# Altium PCB usb_keyboard.PcbDoc (part 1 of 2)
Units mm, origin at the board's own origin, x right, y up, seen from the top; angles counter-clockwise.
Board outline 347.73 x 123.82 mm, 2 copper layers (Top Layer, Bottom Layer), stack 1.579 mm thick; 145 components, 121 nets, 652 pads, 195 vias.
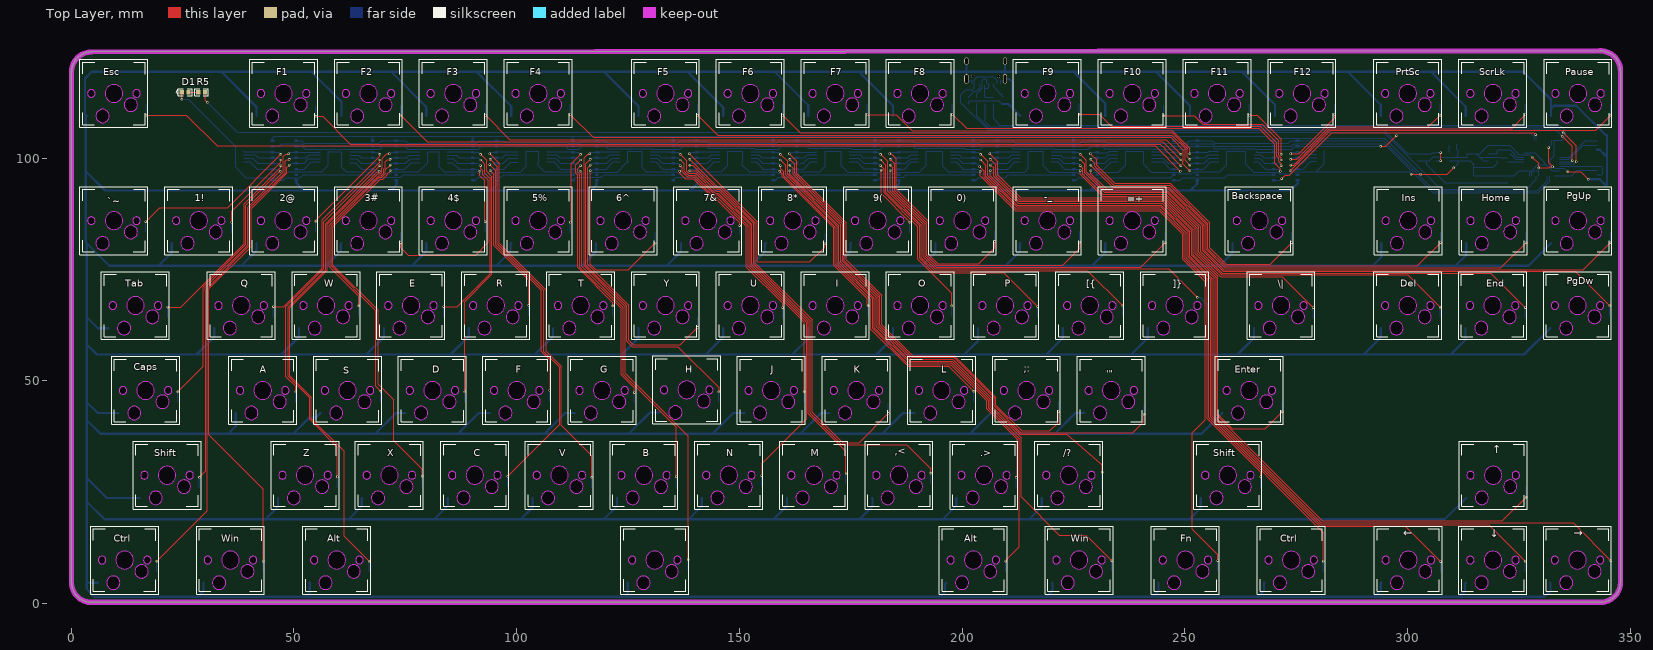
[diagram p0: Top Layer view]
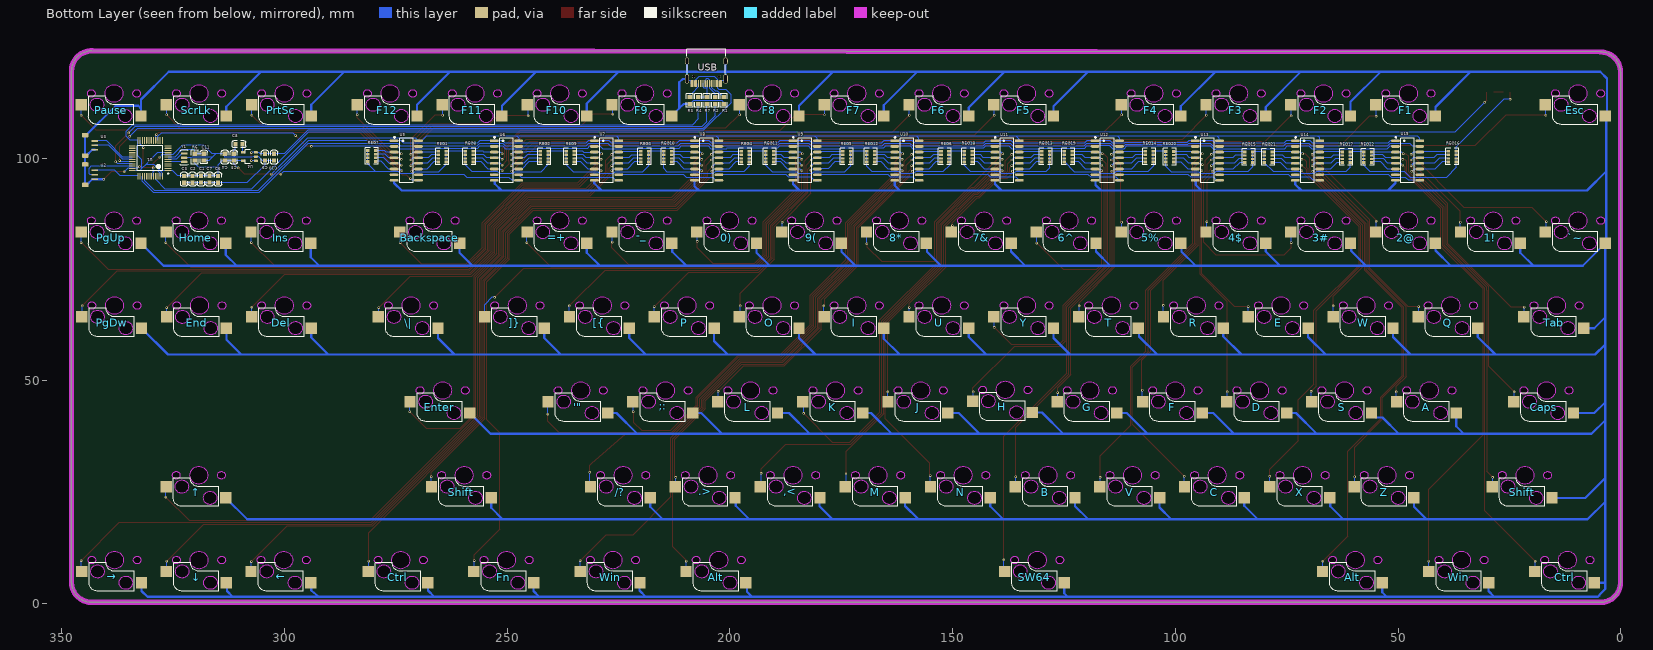
[diagram p1: Bottom Layer view, seen from below]
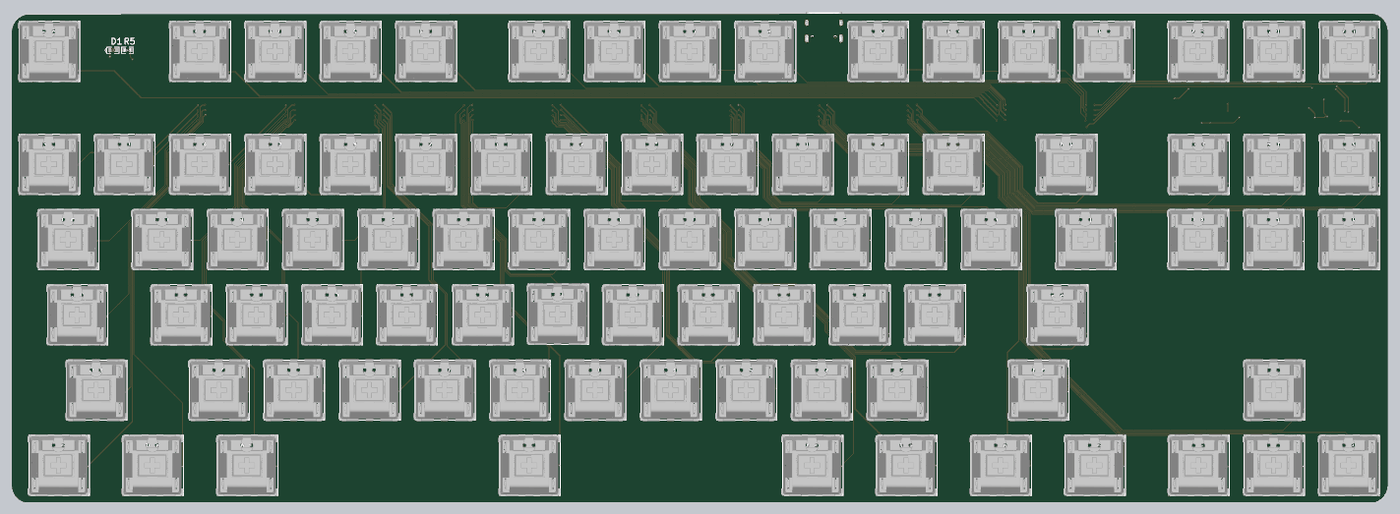
[diagram p3: 3D render of the assembled board from above, using the file's embedded part models]
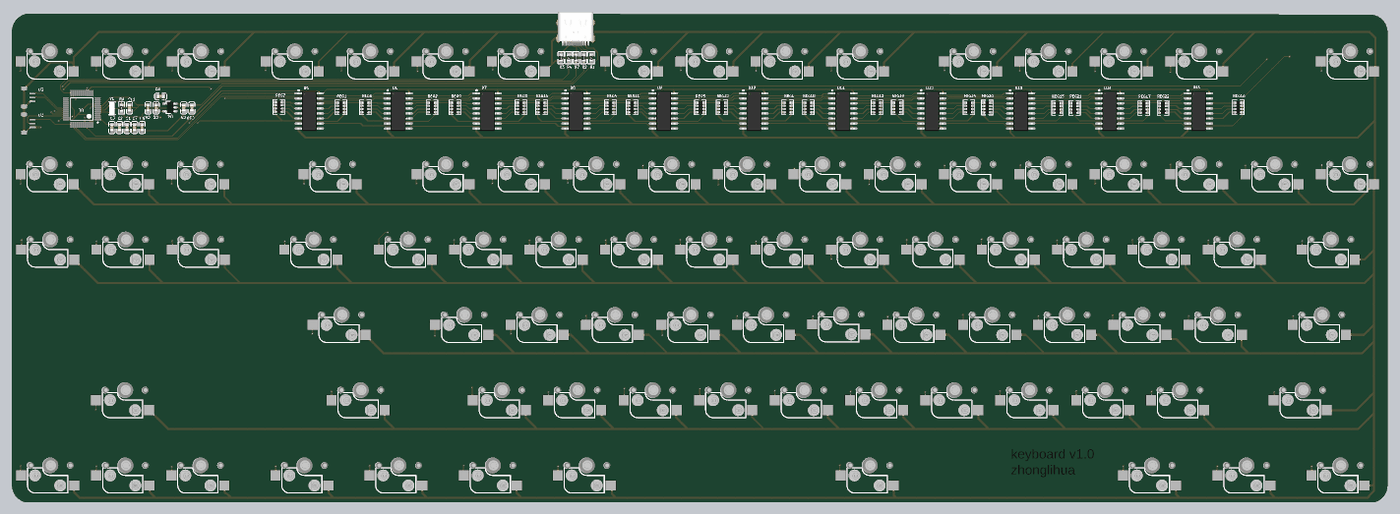
[diagram p4: 3D render of the assembled board from below, using the file's embedded part models]

## Layer stack, top to bottom
Top Solder: solder mask 0.0102, Solder Resist, Dk 3.5
Top Layer: signal copper 0.0356
Dielectric 1: dielectric 1.508, FR-4, Dk 4.8
Bottom Layer: signal copper 0.0356
Bottom Solder: solder mask 0.0102, Solder Resist, Dk 3.5

## Board outline
4.594,0.258 cw(c4.594,4.756) 0.095,4.756 0.095,119.295 cw(c4.63,119.295) 4.63,123.829 4.626,123.829 343.267,124.082 343.123,124.08 cw(c343.27,119.536) 347.814,119.682 347.821,119.536 347.821,4.808 cw(c343.27,4.808) 343.27,0.258

## Design rules (kind name [scope] priority, off if disabled: settings)
Clearance [All] p1: gap=0.152 ignorepadtopadclearanceinfootprint=FALSE except(0: Arc-Hole Track-Hole SMDPad-Hole THPad-Hole Via-Hole Fill-Hole Poly-Hole Region-Hole Text-Hole)
PolygonConnect [All] p1: connectstyle=Relief reliefconductorwidth=0.254 reliefentries=4 polygonreliefangle="90 Angle" airgapwidth=0.254
RoutingVias [All] p1: holewidth=0.711 width=1.27 viastyle="Through Hole" minholewidth=0.711 minwidth=1.27 maxholewidth=0.711 maxwidth=1.27
SilkToSilkClearance [All] p1: silktosilkclearance=0.152
SolderMaskExpansion [All] p1: expansion=0.102
Width [All] p1: maxlimit=0.508 minlimit=0.152 preferedwidth=0.254
29 further rules are at their usual default settings.

## Components (designator, comment, footprint, x,y, rotation, side; value= is the part's Value field where it differs from the comment)
0) "SW" KEY_Mechanical 200.247,85.729 r0 top (schematic designator SW28)
1! "SW" KEY_Mechanical 28.797,85.729 r0 top (schematic designator SW80)
2@ "SW" KEY_Mechanical 47.847,85.729 r0 top (schematic designator SW77)
3# "SW" KEY_Mechanical 66.897,85.729 r0 top (schematic designator SW71)
4$ "SW" KEY_Mechanical 85.947,85.729 r0 top (schematic designator SW72)
5% "SW" KEY_Mechanical 104.997,85.729 r0 top (schematic designator SW54)
6^ "SW" KEY_Mechanical 124.047,85.729 r0 top (schematic designator SW52)
7& "SW" KEY_Mechanical 143.097,85.729 r0 top (schematic designator SW62)
8* "SW" KEY_Mechanical 162.147,85.729 r0 top (schematic designator SW58)
9( "SW" KEY_Mechanical 181.197,85.729 r0 top (schematic designator SW32)
"'\"" "SW" KEY_Mechanical 233.648,47.629 r0 top (schematic designator SW35)
,< "SW" KEY_Mechanical 185.981,28.579 r0 top (schematic designator SW50)
-_ "SW" KEY_Mechanical 219.297,85.729 r0 top (schematic designator SW27)
.> "SW" KEY_Mechanical 205.073,28.579 r0 top (schematic designator SW46)
/? "SW" KEY_Mechanical 224.123,28.579 r0 top (schematic designator SW34)
;: "SW" KEY_Mechanical 214.598,47.629 r0 top (schematic designator SW44)
=+ "SW" KEY_Mechanical 238.347,85.729 r0 top (schematic designator SW26)
[{ "SW" KEY_Mechanical 228.822,66.679 r0 top (schematic designator SW29)
\| "SW" KEY_Mechanical 271.748,66.679 r0 top (schematic designator SW16)
]} "SW" KEY_Mechanical 247.872,66.679 r0 top (schematic designator SW25)
`~ "SW" KEY_Mechanical 9.747,85.729 r0 top (schematic designator SW87)
A "SW" KEY_Mechanical 43.148,47.629 r0 top (schematic designator SW83)
Alt "SW" KEY_Mechanical 59.785,9.529 r0 top (schematic designator SW76)
Alt "SW" KEY_Mechanical 202.66,9.529 r0 top (schematic designator SW45)
B "SW" KEY_Mechanical 128.746,28.579 r0 top (schematic designator SW56)
Backspace "SW" KEY_Mechanical 266.899,85.729 r0 top (schematic designator SW12)
C "SW" KEY_Mechanical 90.773,28.579 r0 top (schematic designator SW67)
C1 "0.1uF" CAP_0603 318.738,95.254 r90 bottom value=0.1u
C2 "0.1uF" CAP_0603 320.643,95.246 r90 bottom value=0.1u
C3 "0.1uF" CAP_0603 322.548,95.246 r90 bottom value=0.1u
C4 "10uF" CAP_0603 313.404,100.199 r270 bottom value=0.1u
C5 "0.1uF" CAP_0603 311.372,100.199 r270 bottom value=0.1u
C6 "10uF" CAP_0603 314.928,95.246 r90 bottom value=0.1u
C7 "0.1uF" CAP_0603 316.833,95.254 r90 bottom value=0.1u
C8 "10nF" CAP_0603 310.237,103.128 r180 bottom value=0.1u
C9 "10uF" CAP_0603 304.387,100.199 r90 bottom value=0.1u
C10 "0.1uF" CAP_0603 302.355,100.199 r90 bottom value=0.1u
C11 "0.1uF" CAP_0603 318.103,100.215 r270 bottom value=0.1u
Caps "SW" KEY_Mechanical 16.859,47.629 r0 top (schematic designator SW82)
Ctrl "SW" KEY_Mechanical 12.16,9.529 r0 top (schematic designator SW85)
Ctrl "SW" KEY_Mechanical 274.034,9.529 r0 top (schematic designator SW22)
D "SW" KEY_Mechanical 81.248,47.629 r0 top (schematic designator SW69)
D1 "LED" LED_0603 25.63,114.812 r0 top
Del "SW" KEY_Mechanical 300.196,66.679 r0 top (schematic designator SW15)
E "SW" KEY_Mechanical 76.422,66.679 r0 top (schematic designator SW70)
End "SW" KEY_Mechanical 319.246,66.679 r0 top (schematic designator SW14)
Enter "SW" KEY_Mechanical 264.636,47.629 r0 top (schematic designator SW20)
Esc "SW" KEY_Mechanical 9.747,114.304 r0 top (schematic designator SW8)
F "SW" KEY_Mechanical 100.171,47.629 r0 top (schematic designator SW66)
F1 "SW" KEY_Mechanical 47.847,114.304 r0 top (schematic designator SW7)
F2 "SW" KEY_Mechanical 66.897,114.304 r0 top (schematic designator SW6)
F3 "SW" KEY_Mechanical 85.947,114.304 r0 top (schematic designator SW5)
F4 "SW" KEY_Mechanical 104.997,114.304 r0 top (schematic designator SW1)
F5 "SW" KEY_Mechanical 133.572,114.304 r0 top (schematic designator SW2)
F6 "SW" KEY_Mechanical 152.622,114.304 r0 top (schematic designator SW3)
F7 "SW" KEY_Mechanical 171.672,114.304 r0 top (schematic designator SW4)
F8 "SW" KEY_Mechanical 190.722,114.304 r0 top (schematic designator SW43)
F9 "SW" KEY_Mechanical 219.297,114.304 r0 top (schematic designator SW42)
F10 "SW" KEY_Mechanical 238.347,114.304 r0 top (schematic designator SW41)
F11 "SW" KEY_Mechanical 257.397,114.304 r0 top (schematic designator SW40)
F12 "SW" KEY_Mechanical 276.447,114.304 r0 top (schematic designator SW39)
Fn "SW" KEY_Mechanical 250.285,9.529 r0 top (schematic designator SW24)
G "SW" KEY_Mechanical 119.348,47.629 r0 top (schematic designator SW55)
H "SW" KEY_Mechanical 138.335,47.756 r0 top (schematic designator SW63)
Home "SW" KEY_Mechanical 319.373,85.729 r0 top (schematic designator SW10)
I "SW" KEY_Mechanical 171.672,66.679 r0 top (schematic designator SW48)
Ins "SW" KEY_Mechanical 300.323,85.729 r0 top (schematic designator SW11)
J "SW" KEY_Mechanical 157.321,47.629 r0 top (schematic designator SW60)
K "SW" KEY_Mechanical 176.435,47.629 r0 top (schematic designator SW51)
L "SW" KEY_Mechanical 195.548,47.629 r0 top (schematic designator SW47)
M "SW" KEY_Mechanical 166.888,28.579 r0 top (schematic designator SW49)
N "SW" KEY_Mechanical 147.796,28.579 r0 top (schematic designator SW59)
O "SW" KEY_Mechanical 190.722,66.679 r0 top (schematic designator SW31)
P "SW" KEY_Mechanical 209.772,66.679 r0 top (schematic designator SW30)
Pause "SW" KEY_Mechanical 338.423,114.304 r0 top (schematic designator SW36)
PgDw "SW" KEY_Mechanical 338.296,66.679 r0 top (schematic designator SW13)
PgUp "SW" KEY_Mechanical 338.423,85.729 r0 top (schematic designator SW9)
PrtSc "SW" KEY_Mechanical 300.196,114.304 r0 top (schematic designator SW38)
Q "SW" KEY_Mechanical 38.322,66.679 r0 top (schematic designator SW78)
R "SW" KEY_Mechanical 95.472,66.679 r0 top (schematic designator SW57)
R1 "5.1K" REG_0603 201.39,112.915 r270 bottom value=22R
R2 "22R" REG_0603 203.295,112.915 r90 bottom
R3 "5.1K" REG_0603 209.01,112.915 r90 bottom value=22R
R4 "1.5K" REG_0603 207.105,112.915 r270 bottom value=22R
R5 "510R" REG_0603 29.313,114.812 r180 top value=22R
R6 "10K" REG_0603 320.135,100.199 r270 bottom value=22R
R7 "22R" REG_0603 205.2,112.915 r90 bottom
REG1 "4D03WGJ0103T5E" RES-ARRAY-SMD_0603-8P-L3.2-W1.6-BL 264.636,100.207 r0 bottom
REG2 "4D03WGJ0103T5E" RES-ARRAY-SMD_0603-8P-L3.2-W1.6-BL 241.649,100.207 r0 bottom
REG3 "4D03WGJ0103T5E" RES-ARRAY-SMD_0603-8P-L3.2-W1.6-BL 219.181,100.207 r0 bottom
REG4 "4D03WGJ0103T5E" RES-ARRAY-SMD_0603-8P-L3.2-W1.6-BL 196.553,100.207 r0 bottom
REG5 "4D03WGJ0103T5E" RES-ARRAY-SMD_0603-8P-L3.2-W1.6-BL 173.831,100.207 r0 bottom
REG6 "4D03WGJ0103T5E" RES-ARRAY-SMD_0603-8P-L3.2-W1.6-BL 151.733,100.207 r0 bottom
REG7 "4D03WGJ0103T5E" RES-ARRAY-SMD_0603-8P-L3.2-W1.6-BL 280.384,100.588 r180 bottom
REG8 "4D03WGJ0103T5E" RES-ARRAY-SMD_0603-8P-L3.2-W1.6-BL 258.496,100.461 r180 bottom
REG9 "4D03WGJ0103T5E" RES-ARRAY-SMD_0603-8P-L3.2-W1.6-BL 235.845,100.461 r180 bottom
REG10 "4D03WGJ0103T5E" RES-ARRAY-SMD_0603-8P-L3.2-W1.6-BL 213.974,100.461 r180 bottom
REG11 "4D03WGJ0103T5E" RES-ARRAY-SMD_0603-8P-L3.2-W1.6-BL 191.103,100.461 r180 bottom
REG12 "4D03WGJ0103T5E" RES-ARRAY-SMD_0603-8P-L3.2-W1.6-BL 168.359,100.461 r180 bottom
REG13 "4D03WGJ0103T5E" RES-ARRAY-SMD_0603-8P-L3.2-W1.6-BL 129.127,100.207 r0 bottom
REG14 "4D03WGJ0103T5E" RES-ARRAY-SMD_0603-8P-L3.2-W1.6-BL 105.886,100.207 r0 bottom
REG15 "4D03WGJ0103T5E" RES-ARRAY-SMD_0603-8P-L3.2-W1.6-BL 83.534,100.08 r0 bottom
REG16 "4D03WGJ0103T5E" RES-ARRAY-SMD_0603-8P-L3.2-W1.6-BL 37.814,100.207 r0 bottom
REG17 "4D03WGJ0103T5E" RES-ARRAY-SMD_0603-8P-L3.2-W1.6-BL 61.69,100.08 r0 bottom
REG18 "4D03WGJ0103T5E" RES-ARRAY-SMD_0603-8P-L3.2-W1.6-BL 146.526,100.461 r180 bottom
REG19 "4D03WGJ0103T5E" RES-ARRAY-SMD_0603-8P-L3.2-W1.6-BL 124.047,100.461 r180 bottom
REG20 "4D03WGJ0103T5E" RES-ARRAY-SMD_0603-8P-L3.2-W1.6-BL 101.303,100.442 r180 bottom
REG21 "4D03WGJ0103T5E" RES-ARRAY-SMD_0603-8P-L3.2-W1.6-BL 79.216,100.334 r180 bottom
REG22 "4D03WGJ0103T5E" RES-ARRAY-SMD_0603-8P-L3.2-W1.6-BL 56.864,100.334 r180 bottom
S "SW" KEY_Mechanical 62.198,47.629 r0 top (schematic designator SW74)
ScrLk "SW" KEY_Mechanical 319.31,114.304 r0 top (schematic designator SW37)
Shift "SW" KEY_Mechanical 21.685,28.579 r0 top (schematic designator SW86)
Shift "SW" KEY_Mechanical 259.81,28.579 r0 top (schematic designator SW23)
SW64 "SW" KEY_Mechanical 131.159,9.529 r0 top
T "SW" KEY_Mechanical 114.522,66.679 r0 top (schematic designator SW65)
Tab "SW" KEY_Mechanical 14.573,66.679 r0 top (schematic designator SW81)
U "SW" KEY_Mechanical 152.622,66.679 r0 top (schematic designator SW61)
U1 "STM32F103C8T6" STM-LQFP48_L 330.168,99.953 r0 bottom
U2 "SH1.0-3P-STAND" SH1.0-3P-STAND 342.614,96.27 r270 bottom
U3 "SH1.0-3P-STAND" SH1.0-3P-STAND 342.614,102.858 r270 bottom
U4 "LP2992 3V3" SOT23-5 307.943,100.334 r0 bottom
U5 "74HC165D,653" SOIC-16_L9.9-W3.9-P1.27-LS6.0-BL 272.764,100.08 r180 bottom
U6 "74HC165D,653" SOIC-16_L9.9-W3.9-P1.27-LS6.0-BL 250.285,100.08 r180 bottom
U7 "74HC165D,653" SOIC-16_L9.9-W3.9-P1.27-LS6.0-BL 227.806,100.08 r180 bottom
U8 "74HC165D,653" SOIC-16_L9.9-W3.9-P1.27-LS6.0-BL 205.327,100.08 r180 bottom
U9 "74HC165D,653" SOIC-16_L9.9-W3.9-P1.27-LS6.0-BL 183.229,100.08 r180 bottom
U10 "74HC165D,653" SOIC-16_L9.9-W3.9-P1.27-LS6.0-BL 160.369,100.08 r180 bottom
U11 "74HC165D,653" SOIC-16_L9.9-W3.9-P1.27-LS6.0-BL 137.89,100.08 r180 bottom
U12 "74HC165D,653" SOIC-16_L9.9-W3.9-P1.27-LS6.0-BL 115.411,100.08 r180 bottom
U13 "74HC165D,653" SOIC-16_L9.9-W3.9-P1.27-LS6.0-BL 92.932,100.08 r180 bottom
U14 "74HC165D,653" SOIC-16_L9.9-W3.9-P1.27-LS6.0-BL 70.453,100.08 r180 bottom
U15 "74HC165D,653" SOIC-16_L9.9-W3.9-P1.27-LS6.0-BL 47.974,100.08 r180 bottom
USB "Type-C" Type-C-TOP 205.327,119.257 r90 bottom (schematic designator USB1)
V "SW" KEY_Mechanical 109.76,28.579 r0 top (schematic designator SW68)
W "SW" KEY_Mechanical 57.372,66.679 r0 top (schematic designator SW75)
Win "SW" KEY_Mechanical 35.909,9.529 r0 top (schematic designator SW79)
Win "SW" KEY_Mechanical 226.409,9.529 r0 top (schematic designator SW33)
X "SW" KEY_Mechanical 71.596,28.579 r0 top (schematic designator SW73)
Y "SW" KEY_Mechanical 133.572,66.679 r0 top (schematic designator SW53)
Y1 "8M" 晶振-3P 322.548,100.08 r270 bottom
Z "SW" KEY_Mechanical 52.673,28.579 r0 top (schematic designator SW84)
← "SW" KEY_Mechanical 300.323,9.529 r0 top (schematic designator SW21)
↑ "SW" KEY_Mechanical 319.373,28.579 r0 top (schematic designator SW19)
→ "SW" KEY_Mechanical 338.296,9.529 r0 top (schematic designator SW18)
↓ "SW" KEY_Mechanical 319.31,9.529 r0 top (schematic designator SW17)

## Footprints (in the part's own frame and the unit in brackets; to place one, negate y for a bottom-side part, rotate by r counter-clockwise, add the part's x,y. Pads: shape width x height; smd on the part's side, far side on the other; paste and mask are expansions set on the pad)
CAP_0603 [mm]
  rect 0.93x0.98 smd: 1(-0.77,0) 2(0.77,0)
  silkscreen extent -1.53,-0.79 1.54,0.79, body extent -0.8,-0.4 0.8,0.4, height 0.3
KEY_Mechanical [mil]
  rect 100.4x100.4 smd far side mask+4: 1(-244.1,-191.31) 2(283.5,-91.31)
  Keep-Out Layer board cut-out: 73.2,8.69 65.43,42.75 43.64,70.07 12.17,85.23 -22.77,85.23 -54.24,70.07 -76.03,42.75 -83.8,8.69 -83.8,8.69 -76.03,-25.37 -54.24,-52.68 -22.77,-67.84 12.17,-67.84 43.64,-52.68 65.43,-25.37 73.2,8.69
  Keep-Out Layer board cut-out: 228.2,8.69 224.88,23.23 215.59,34.88 202.16,41.35 187.25,41.35 173.81,34.88 164.52,23.23 161.2,8.69 161.2,8.69 164.52,-5.84 173.81,-17.5 187.25,-23.97 202.16,-23.97 215.59,-17.5 224.88,-5.84 228.2,8.69
  Keep-Out Layer board cut-out: -171.8,8.69 -175.12,23.23 -184.41,34.88 -197.84,41.35 -212.75,41.35 -226.19,34.88 -235.48,23.23 -238.8,8.69 -238.8,8.69 -235.48,-5.84 -226.19,-17.5 -212.75,-23.97 -197.84,-23.97 -184.41,-17.5 -175.12,-5.84 -171.8,8.69
  Keep-Out Layer board cut-out: 203.8,-91.31 197.95,-65.66 181.55,-45.1 157.85,-33.69 131.55,-33.69 107.85,-45.1 91.45,-65.66 85.6,-91.31 85.6,-91.31 91.45,-116.95 107.85,-137.51 131.55,-148.92 157.85,-148.92 181.55,-137.51 197.95,-116.95 203.8,-91.31
  Keep-Out Layer board cut-out: -46.2,-191.31 -52.05,-165.66 -68.45,-145.1 -92.15,-133.69 -118.45,-133.69 -142.15,-145.1 -158.55,-165.66 -164.4,-191.31 -164.4,-191.31 -158.55,-216.95 -142.15,-237.51 -118.45,-248.92 -92.15,-248.92 -68.45,-237.51 -52.05,-216.95 -46.2,-191.31
  silkscreen extent -305,-291 295,309, body extent -319,-298 295,316, height 587
LED_0603 [mm]
  rect 0.93x0.98 smd: A(0.77,0) K(-0.77,0)
  silkscreen extent -2,-0.79 1.53,0.79, body extent -0.8,-0.4 0.8,0.4, height 0.6
REG_0603 [mm]
  rect 0.93x0.98 smd: 1(-0.77,0) 2(0.77,0)
  silkscreen extent -1.53,-0.79 1.54,0.79, body extent -0.85,-0.4 0.85,0.4, height 0.56
RES-ARRAY-SMD_0603-8P-L3.2-W1.6-BL [mm]
  rect 0.8x0.65 smd mask+0.051: 1(-0.9,1.073) 4(-0.9,-1.327) 5(0.9,-1.327) 8(0.9,1.073)
  rect 0.8x0.5 smd mask+0.051: 2(-0.9,0.273) 3(-0.9,-0.527) 6(0.9,-0.527) 7(0.9,0.273)
  silkscreen extent -1.45,-2 1.47,1.74, body extent -0.8,-1.73 0.8,1.47, height 0.51
SH1.0-3P-STAND [mm]
  rrect50% 0.4x1.5 smd: 1(-1,0) 2(0,0) 3(1,0)
  rrect50% 1x1.5 smd: 4(-2.3,-2.15) 5(2.3,-2.15)
  body extent -2.5,-2.91 2.5,0.69, height 4.25
SOIC-16_L9.9-W3.9-P1.27-LS6.0-BL [mm]
  oval 1.971x0.602 smd mask+0.051: 1(-2.638,3.81) 2(-2.638,2.54) 3(-2.638,1.27) 4(-2.638,0) 5(-2.638,-1.27) 6(-2.638,-2.54) 7(-2.638,-3.81) 8(-2.638,-5.08) 9(2.834,-5.08) 10(2.834,-3.81) 11(2.834,-2.54) 12(2.834,-1.27) 13(2.834,0) 14(2.834,1.27) 15(2.834,2.54) 16(2.834,3.81)
  Top Layer region: 3.098,-2.325 2.398,-2.325 2.398,-2.755 3.098,-2.755 3.098,-2.325
  Top Layer region: 3.098,1.485 2.398,1.485 2.398,1.055 3.098,1.055 3.098,1.485
  Top Layer region: 3.098,-4.865 2.398,-4.865 2.398,-5.295 3.098,-5.295 3.098,-4.865
  Top Layer region: 3.098,-3.595 2.398,-3.595 2.398,-4.025 3.098,-4.025 3.098,-3.595
  Top Layer region: 3.098,-1.055 2.398,-1.055 2.398,-1.485 3.098,-1.485 3.098,-1.055
  Top Layer region: 3.098,0.215 2.398,0.215 2.398,-0.215 3.098,-0.215 3.098,0.215
  Top Layer region: 3.098,2.755 2.398,2.755 2.398,2.325 3.098,2.325 3.098,2.755
  Top Layer region: 3.098,4.025 2.398,4.025 2.398,3.595 3.098,3.595 3.098,4.025
  Top Layer region: -2.902,-2.325 -2.202,-2.325 -2.202,-2.755 -2.902,-2.755 -2.902,-2.325
  Top Layer region: -2.902,1.485 -2.202,1.485 -2.202,1.055 -2.902,1.055 -2.902,1.485
  Top Layer region: -2.902,-4.865 -2.202,-4.865 -2.202,-5.295 -2.902,-5.295 -2.902,-4.865
  Top Layer region: -2.902,-3.595 -2.202,-3.595 -2.202,-4.025 -2.902,-4.025 -2.902,-3.595
  Top Layer region: -2.902,-1.055 -2.202,-1.055 -2.202,-1.485 -2.902,-1.485 -2.902,-1.055
  Top Layer region: -2.902,0.215 -2.202,0.215 -2.202,-0.215 -2.902,-0.215 -2.902,0.215
  Top Layer region: -2.902,2.755 -2.202,2.755 -2.202,2.325 -2.902,2.325 -2.902,2.755
  Top Layer region: -2.902,4.025 -2.202,4.025 -2.202,3.595 -2.902,3.595 -2.902,4.025
  silkscreen extent -2.72,-5.66 1.62,4.72, body extent -2.87,-5.73 3.13,4.47, height 1.7
SOT23-5 [mm]
  rrect50% 0.889x0.6 smd: 1(-1.5,0.95) 2(-1.5,0) 3(-1.5,-0.95) 4(1.396,-0.95) 5(1.396,0.95)
  silkscreen extent -0.2,-1.55 0.9,1.55, body extent -1.48,-1.45 1.32,1.45, height 1.2
STM-LQFP48_L [mm] "QFP, 48-Leads, Body 7x7mm, Pitch 0.5mm, IPC High Density"
  oval 1.55x0.25 smd: 1(-4.025,2.75) 2(-4.025,2.25) 3(-4.025,1.75) 4(-4.025,1.25) 5(-4.025,0.75) 6(-4.025,0.25) 7(-4.025,-0.25) 8(-4.025,-0.75) 9(-4.025,-1.25) 10(-4.025,-1.75) 11(-4.025,-2.25) 12(-4.025,-2.75) 25(4.025,-2.75) 26(4.025,-2.25) 27(4.025,-1.75) 28(4.025,-1.25) 29(4.025,-0.75) 30(4.025,-0.25) 31(4.025,0.25) 32(4.025,0.75) 33(4.025,1.25) 34(4.025,1.75) 35(4.025,2.25) 36(4.025,2.75)
  oval 0.25x1.55 smd: 13(-2.75,-4.025) 14(-2.25,-4.025) 15(-1.75,-4.025) 16(-1.25,-4.025) 17(-0.75,-4.025) 18(-0.25,-4.025) 19(0.25,-4.025) 20(0.75,-4.025) 21(1.25,-4.025) 22(1.75,-4.025) 23(2.25,-4.025) 24(2.75,-4.025) 37(2.75,4.025) 38(2.25,4.025) 39(1.75,4.025) 40(1.25,4.025) 41(0.75,4.025) 42(0.25,4.025) 43(-0.25,4.025) 44(-0.75,4.025) 45(-1.25,4.025) 46(-1.75,4.025) 47(-2.25,4.025) 48(-2.75,4.025)
  silkscreen extent -4.15,-2.85 2.85,3.55, body extent -3.5,-3.5 3.5,3.5, height 1.6
Type-C-TOP [mm]
  round 0.65 hole 0.65: 0(-0.98,-2.89) 0(-0.98,2.89)
  oval 1.6x1 hole 0.6 slot 1.2 at 0 deg: 1(2.52,4.325) 2(2.52,-4.325)
  oval 2.1x1 hole 0.6 slot 1.7 at 0 deg: 3(-1.48,-4.325) 4(-1.48,4.325)
  rrect50% 1.5x0.3 smd: A1(-2.52,-3.35) A4(-2.52,-2.55) A5(-2.52,-1.25) A6(-2.52,-0.25) A7(-2.52,0.25) A8(-2.52,1.25) A9(-2.52,2.55) A12(-2.52,3.35) B1(-2.52,3.05) B4(-2.52,2.25) B5(-2.52,1.75) B6(-2.52,0.75) B7(-2.52,-0.75) B8(-2.52,-1.75) B9(-2.52,-2.25) B12(-2.52,-3.05)
  silkscreen extent -0.22,-4.33 5.12,4.33, body extent -2.57,-4.48 5.18,4.47, height 3.26
晶振-3P [mm]
  rrect50% 0.55x1.45 smd: 1(-0.95,0) 2(0,0) 3(0.95,0)
  silkscreen extent -1.65,-0.89 1.65,0.91, body extent -1.6,-0.89 1.65,0.89, height 1.75
